# KiCad board panel.kicad_pcb (continued)
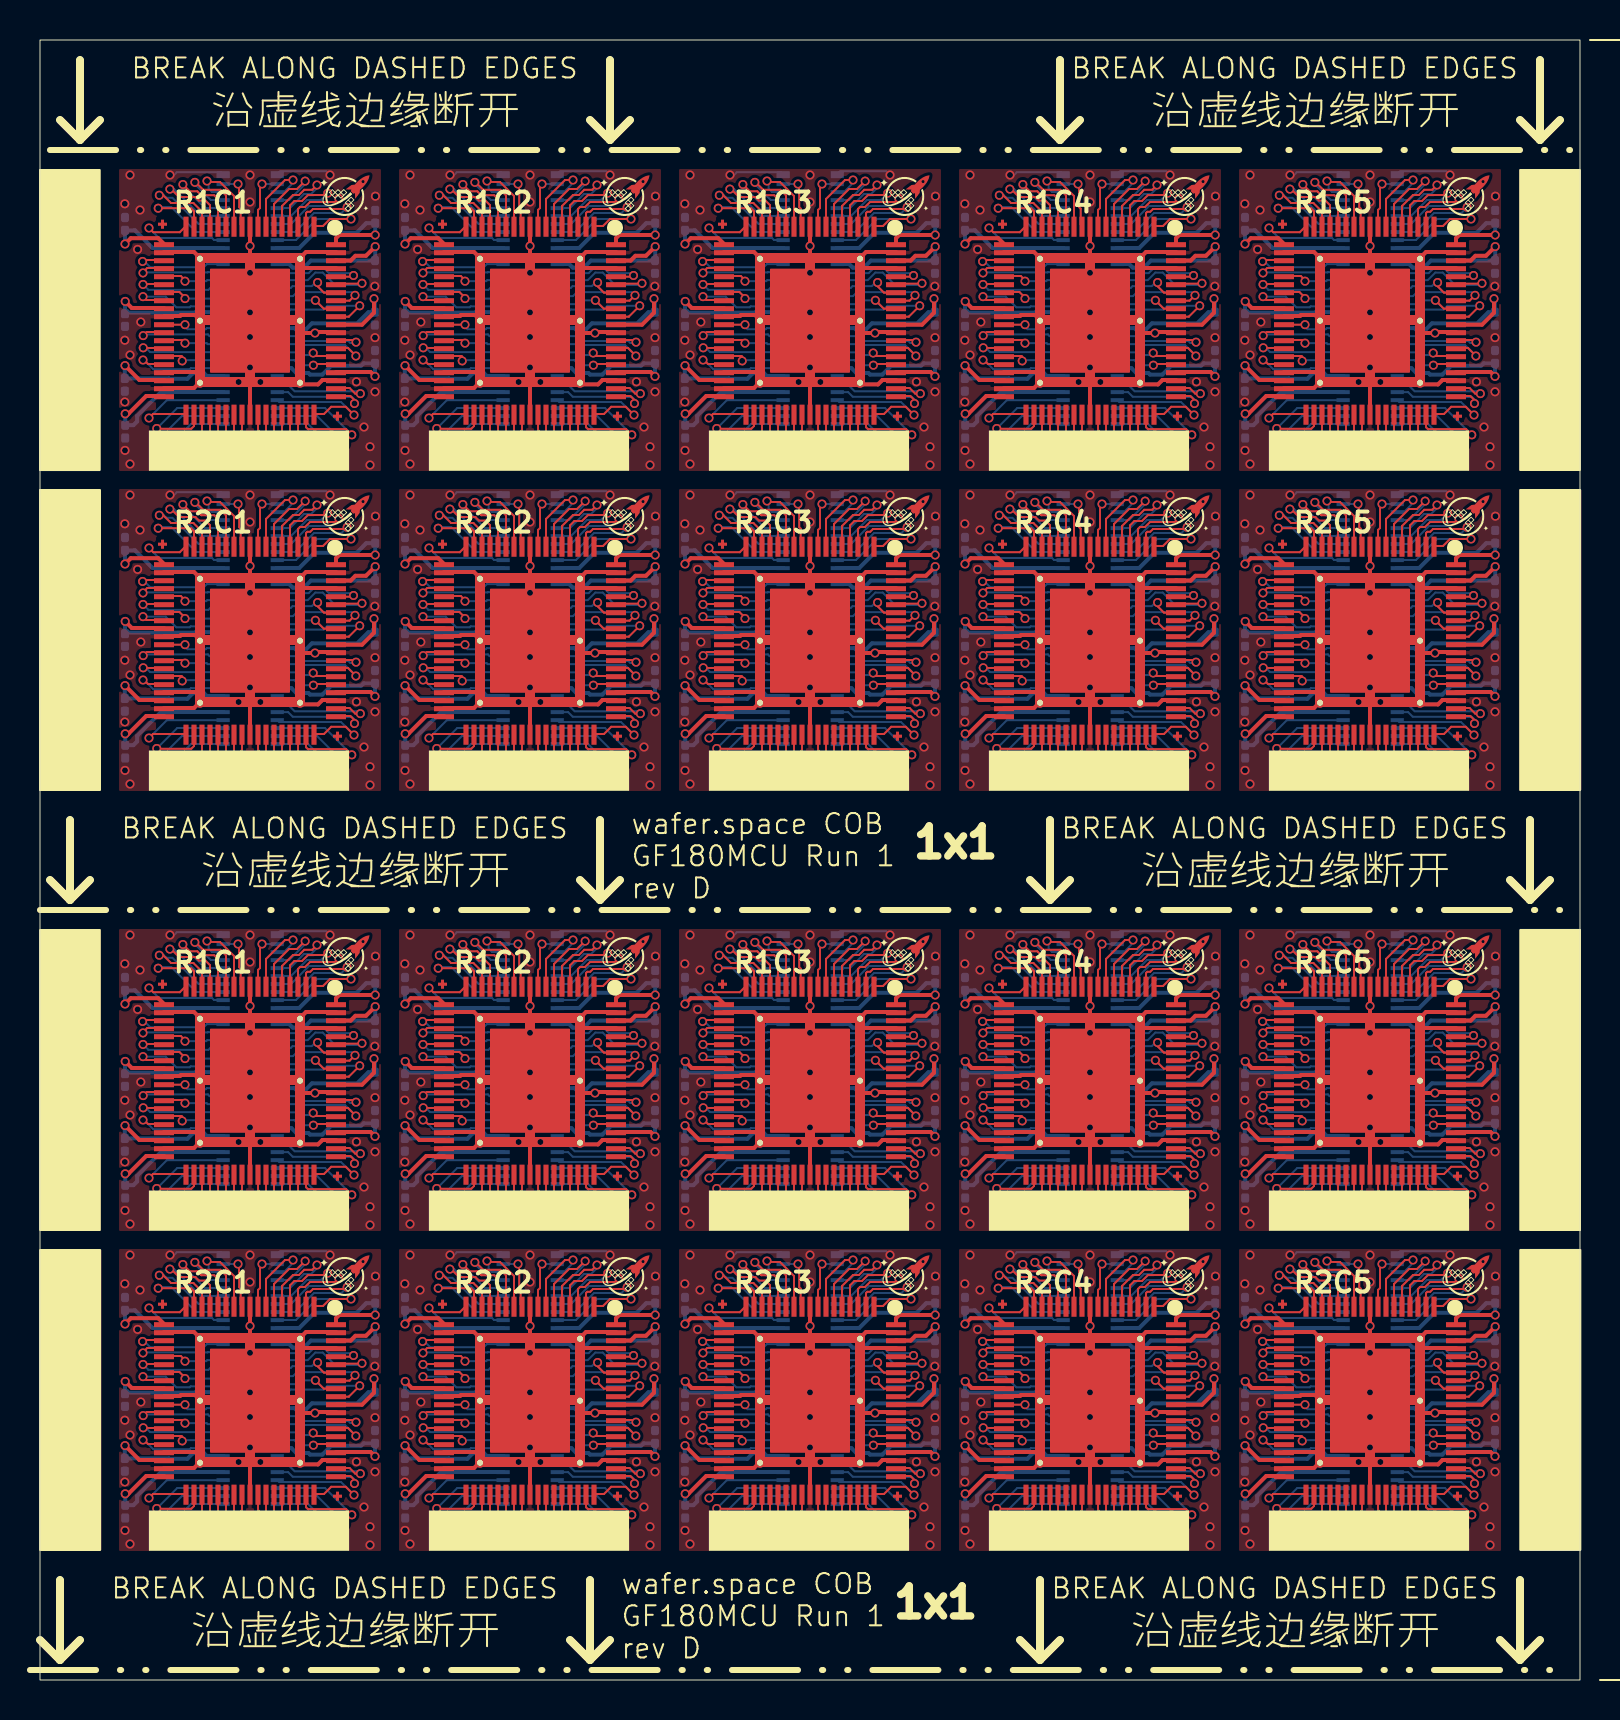
[diagram p0: board, top side]
## Routing (per net, layer and track width the routed paths; a pad name or vN(x,y) marks a point on that pad's centre or on a via; arc(x,y) is an arc through that point) (continued)
VDD_CORE_0: length 159.7
  Top w0.2: 6.2,11 4.97,11 v1(4.25,11.72) ; v1(46.25,27.72) 46.97,27 48.2,27 ; 20.2,11 18.97,11 v1(18.25,11.72) ; v1(18.25,27.72) 18.97,27 20.2,27 ; 62.2,27 60.97,27 v1(60.25,27.72) ; v1(18.25,65.72) 18.97,65 20.2,65 ; v1(4.25,49.72) 4.97,49 6.2,49 ; v1(32.25,27.72) 32.97,27 34.2,27 ; 62.2,49 60.97,49 v1(60.25,49.72) ; 48.2,11 46.97,11 v1(46.25,11.72) ; 34.2,49 32.97,49 v1(32.25,49.72) ; v1(32.25,11.72) 32.97,11 34.2,11 ; v1(60.25,11.72) 60.97,11 62.2,11 ; v1(46.25,65.72) 46.97,65 48.2,65 ; v1(4.25,65.72) 4.97,65 6.2,65 ; v1(4.25,27.72) 4.97,27 6.2,27 ; v1(46.25,49.72) 46.97,49 48.2,49 ; v1(18.25,49.72) 18.97,49 20.2,49 ; 34.2,65 32.97,65 v1(32.25,65.72) ; 62.2,65 60.97,65 v1(60.25,65.72)
  Bottom w0.2: v1(4.25,65.72) 4.24,65.71 C103#2.1 6.44,65.08 6.46,65.06 7.36,65.06 7.65,65.34 8.19,65.34 8.34,65.2 9.15,65.2 ; 9.15,49.2 8.34,49.2 8.19,49.34 7.65,49.34 7.36,49.06 6.46,49.06 6.44,49.08 C143#2.1 4.24,49.71 v1(4.25,49.72) ; v1(32.25,11.72) 32.24,11.71 C159.1 34.44,11.08 34.46,11.06 35.36,11.06 35.65,11.34 36.19,11.34 36.34,11.2 37.15,11.2 ; v1(60.25,27.72) 60.24,27.71 C135#2.1 62.44,27.08 62.46,27.06 63.36,27.06 63.65,27.34 64.19,27.34 64.34,27.2 65.15,27.2 ; v1(32.25,27.72) 32.24,27.71 C119#2.1 34.44,27.08 34.46,27.06 35.36,27.06 35.65,27.34 36.19,27.34 36.34,27.2 37.15,27.2 ; 23.15,49.2 22.34,49.2 22.19,49.34 21.65,49.34 21.36,49.06 20.46,49.06 20.44,49.08 C151.1 18.24,49.71 v1(18.25,49.72) ; 51.15,27.2 50.34,27.2 50.19,27.34 49.65,27.34 49.36,27.06 48.46,27.06 48.44,27.08 C127.1 46.24,27.71 v1(46.25,27.72) ; 23.15,65.2 22.34,65.2 22.19,65.34 21.65,65.34 21.36,65.06 20.46,65.06 20.44,65.08 C111.1 18.24,65.71 v1(18.25,65.72) ; 51.15,65.2 50.34,65.2 50.19,65.34 49.65,65.34 49.36,65.06 48.46,65.06 48.44,65.08 C127#2.1 46.24,65.71 v1(46.25,65.72) ; v1(4.25,11.72) 4.24,11.71 C143.1 6.44,11.08 6.46,11.06 7.36,11.06 7.65,11.34 8.19,11.34 8.34,11.2 9.15,11.2 ; 51.15,49.2 50.34,49.2 50.19,49.34 49.65,49.34 49.36,49.06 48.46,49.06 48.44,49.08 C167.1 46.24,49.71 v1(46.25,49.72) ; v1(18.25,27.72) 18.24,27.71 C111#2.1 20.44,27.08 20.46,27.06 21.36,27.06 21.65,27.34 22.19,27.34 22.34,27.2 23.15,27.2 ; v1(60.25,65.72) 60.24,65.71 C135.1 62.44,65.08 62.46,65.06 63.36,65.06 63.65,65.34 64.19,65.34 64.34,65.2 65.15,65.2 ; v1(32.25,49.72) 32.24,49.71 C159#2.1 34.44,49.08 34.46,49.06 35.36,49.06 35.65,49.34 36.19,49.34 36.34,49.2 37.15,49.2 ; v1(32.25,65.72) 32.24,65.71 C119.1 34.44,65.08 34.46,65.06 35.36,65.06 35.65,65.34 36.19,65.34 36.34,65.2 37.15,65.2 ; v1(60.25,49.72) 60.24,49.71 C175.1 62.44,49.08 62.46,49.06 63.36,49.06 63.65,49.34 64.19,49.34 64.34,49.2 65.15,49.2 ; 9.15,27.2 8.34,27.2 8.19,27.34 7.65,27.34 7.36,27.06 6.46,27.06 6.44,27.08 C103.1 4.24,27.71 v1(4.25,27.72) ; v1(60.25,11.72) 60.24,11.71 C175#2.1 62.44,11.08 62.46,11.06 63.36,11.06 63.65,11.34 64.19,11.34 64.34,11.2 65.15,11.2 ; v1(46.25,11.72) 46.24,11.71 C167#2.1 48.44,11.08 48.46,11.06 49.36,11.06 49.65,11.34 50.19,11.34 50.34,11.2 51.15,11.2 ; 23.15,11.2 22.34,11.2 22.19,11.34 21.65,11.34 21.36,11.06 20.46,11.06 20.44,11.08 C151#2.1 18.24,11.71 v1(18.25,11.72)
VDD_CORE_1: length 161.7
  Top w0.2: v1(58.76,33.67) 58.3,33.21 57.77,33.21 57.53,32.97 56.83,32.97 56.8,33 ; v1(72.76,33.67) 72.3,33.21 71.77,33.21 71.53,32.97 70.83,32.97 70.8,33 ; v1(72.76,17.67) 72.3,17.21 71.77,17.21 71.53,16.97 70.83,16.97 70.8,17 ; v1(44.76,33.67) 44.3,33.21 43.77,33.21 43.53,32.97 42.83,32.97 42.8,33 ; 14.8,33 14.83,32.97 15.53,32.97 15.77,33.21 16.3,33.21 v1(16.76,33.67) ; 42.8,71 42.83,70.97 43.53,70.97 43.77,71.21 44.3,71.21 v1(44.76,71.67) ; 42.8,17 42.83,16.97 43.53,16.97 43.77,17.21 44.3,17.21 v1(44.76,17.67) ; 28.8,33 28.83,32.97 29.53,32.97 29.77,33.21 30.3,33.21 v1(30.76,33.67) ; 14.8,71 14.83,70.97 15.53,70.97 15.77,71.21 16.3,71.21 v1(16.76,71.67) ; 70.8,55 70.83,54.97 71.53,54.97 71.77,55.21 72.3,55.21 v1(72.76,55.67) ; v1(30.76,71.67) 30.3,71.21 29.77,71.21 29.53,70.97 28.83,70.97 28.8,71 ; v1(58.76,71.67) 58.3,71.21 57.77,71.21 57.53,70.97 56.83,70.97 56.8,71 ; 56.8,17 56.83,16.97 57.53,16.97 57.77,17.21 58.3,17.21 v1(58.76,17.67) ; v1(44.76,55.67) 44.3,55.21 43.77,55.21 43.53,54.97 42.83,54.97 42.8,55 ; 14.8,55 14.83,54.97 15.53,54.97 15.77,55.21 16.3,55.21 v1(16.76,55.67) ; 70.8,71 70.83,70.97 71.53,70.97 71.77,71.21 72.3,71.21 v1(72.76,71.67) ; 14.8,17 14.83,16.97 15.53,16.97 15.77,17.21 16.3,17.21 v1(16.76,17.67) ; 28.8,17 28.83,16.97 29.53,16.97 29.77,17.21 30.3,17.21 v1(30.76,17.67) ; 28.8,55 28.83,54.97 29.53,54.97 29.77,55.21 30.3,55.21 v1(30.76,55.67) ; 56.8,55 56.83,54.97 57.53,54.97 57.77,55.21 58.3,55.21 v1(58.76,55.67)
  Bottom w0.2: v1(72.76,33.67) 72.76,32.98 C136.1 69.55,32.97 69.19,32.61 68.64,32.61 68.46,32.8 67.86,32.8 ; 67.86,16.8 68.46,16.8 68.64,16.61 69.19,16.61 69.55,16.97 C176.1 72.76,16.98 v1(72.76,17.67) ; v1(44.76,55.67) 44.76,54.98 C160#2.1 41.55,54.97 41.19,54.61 40.64,54.61 40.46,54.8 39.85,54.8 ; v1(44.76,71.67) 44.76,70.98 C120.1 41.55,70.97 41.19,70.61 40.64,70.61 40.46,70.8 39.85,70.8 ; v1(58.76,71.67) 58.76,70.98 C128#2.1 55.55,70.97 55.19,70.61 54.64,70.61 54.46,70.8 53.85,70.8 ; v1(16.76,71.67) 16.76,70.98 C104#2.1 13.55,70.97 13.19,70.61 12.64,70.61 12.46,70.8 11.85,70.8 ; 25.85,16.8 26.46,16.8 26.64,16.61 27.19,16.61 27.55,16.97 C152.1 30.76,16.98 v1(30.76,17.67) ; 25.85,70.8 26.46,70.8 26.64,70.61 27.19,70.61 27.55,70.97 C112.1 30.76,70.98 v1(30.76,71.67) ; 39.85,32.8 40.46,32.8 40.64,32.61 41.19,32.61 41.55,32.97 C120#2.1 44.76,32.98 v1(44.76,33.67) ; 11.85,16.8 12.46,16.8 12.64,16.61 13.19,16.61 13.55,16.97 C144#2.1 16.76,16.98 v1(16.76,17.67) ; 53.85,54.8 54.46,54.8 54.64,54.61 55.19,54.61 55.55,54.97 C168.1 58.76,54.98 v1(58.76,55.67) ; 53.85,32.8 54.46,32.8 54.64,32.61 55.19,32.61 55.55,32.97 C128.1 58.76,32.98 v1(58.76,33.67) ; 67.86,54.8 68.46,54.8 68.64,54.61 69.19,54.61 69.55,54.97 C176#2.1 72.76,54.98 v1(72.76,55.67) ; 67.86,70.8 68.46,70.8 68.64,70.61 69.19,70.61 69.55,70.97 C136#2.1 72.76,70.98 v1(72.76,71.67) ; 25.85,32.8 26.46,32.8 26.64,32.61 27.19,32.61 27.55,32.97 C112#2.1 30.76,32.98 v1(30.76,33.67) ; 39.85,16.8 40.46,16.8 40.64,16.61 41.19,16.61 41.55,16.97 C160.1 44.76,16.98 v1(44.76,17.67) ; v1(16.76,33.67) 16.76,32.98 C104.1 13.55,32.97 13.19,32.61 12.64,32.61 12.46,32.8 11.85,32.8 ; v1(16.76,55.67) 16.76,54.98 C144.1 13.55,54.97 13.19,54.61 12.64,54.61 12.46,54.8 11.85,54.8 ; v1(30.76,55.67) 30.76,54.98 C152#2.1 27.55,54.97 27.19,54.61 26.64,54.61 26.46,54.8 25.85,54.8 ; 53.85,16.8 54.46,16.8 54.64,16.61 55.19,16.61 55.55,16.97 C168#2.1 58.76,16.98 v1(58.76,17.67)
VDD_IO_0: length 162.7
  Top w0.2: 34.2,71.8 33.91,72.09 32.54,72.09 v1(32.25,71.8) ; v1(46.25,17.8) 46.54,18.09 47.91,18.09 48.2,17.8 ; v1(18.25,55.8) 18.54,56.09 19.91,56.09 20.2,55.8 ; 6.2,71.8 5.91,72.09 4.54,72.09 v1(4.25,71.8) ; v1(4.25,17.8) 4.54,18.09 5.91,18.09 6.2,17.8 ; v1(32.25,17.8) 32.54,18.09 33.91,18.09 34.2,17.8 ; v1(60.25,17.8) 60.54,18.09 61.91,18.09 62.2,17.8 ; 20.2,17.8 19.91,18.09 18.54,18.09 v1(18.25,17.8) ; v1(4.25,55.8) 4.54,56.09 5.91,56.09 6.2,55.8 ; 48.2,71.8 47.91,72.09 46.54,72.09 v1(46.25,71.8) ; 62.2,71.8 61.91,72.09 60.54,72.09 v1(60.25,71.8) ; v1(4.25,33.8) 4.54,34.09 5.91,34.09 6.2,33.8 ; v1(18.25,71.8) 18.54,72.09 19.91,72.09 20.2,71.8 ; v1(18.25,33.8) 18.54,34.09 19.91,34.09 20.2,33.8 ; 62.2,33.8 61.91,34.09 60.54,34.09 v1(60.25,33.8) ; 34.2,33.8 33.91,34.09 32.54,34.09 v1(32.25,33.8) ; 48.2,55.8 47.91,56.09 46.54,56.09 v1(46.25,55.8) ; v1(46.25,33.8) 46.54,34.09 47.91,34.09 48.2,33.8 ; 62.2,55.8 61.91,56.09 60.54,56.09 v1(60.25,55.8) ; 34.2,55.8 33.91,56.09 32.54,56.09 v1(32.25,55.8)
  Bottom w0.2: 37.15,33.6 33.63,33.6 32.74,34.48 C123#2.1 v1(32.25,33.8) ; 51.15,17.6 47.63,17.6 46.74,18.48 C171.1 v1(46.25,17.8) ; v1(32.25,55.8) C163.1 32.74,56.48 33.63,55.6 37.15,55.6 ; 65.15,17.6 61.63,17.6 60.74,18.48 C179#2.1 v1(60.25,17.8) ; 9.15,71.6 5.63,71.6 4.74,72.48 C107.1 v1(4.25,71.8) ; 51.15,71.6 47.63,71.6 46.74,72.48 C131.1 v1(46.25,71.8) ; 65.15,55.6 61.63,55.6 60.74,56.48 C179.1 v1(60.25,55.8) ; 37.15,71.6 33.63,71.6 32.74,72.48 C123.1 v1(32.25,71.8) ; 65.15,71.6 61.63,71.6 60.74,72.48 C139.1 v1(60.25,71.8) ; v1(18.25,55.8) C155.1 18.74,56.48 19.63,55.6 23.15,55.6 ; 23.15,71.6 19.63,71.6 18.74,72.48 C115#2.1 v1(18.25,71.8) ; 9.15,55.6 5.63,55.6 4.74,56.48 C147.1 v1(4.25,55.8) ; 37.15,17.6 33.63,17.6 32.74,18.48 C163#2.1 v1(32.25,17.8) ; 51.15,55.6 47.63,55.6 46.74,56.48 C171#2.1 v1(46.25,55.8) ; 9.15,17.6 5.63,17.6 4.74,18.48 C147#2.1 v1(4.25,17.8) ; v1(46.25,33.8) C131#2.1 46.74,34.48 47.63,33.6 51.15,33.6 ; 23.15,33.6 19.63,33.6 18.74,34.48 C115.1 v1(18.25,33.8) ; 23.15,17.6 19.63,17.6 18.74,18.48 C155#2.1 v1(18.25,17.8) ; v1(4.25,33.8) C107#2.1 4.74,34.48 5.63,33.6 9.15,33.6 ; v1(60.25,33.8) C139#2.1 60.74,34.48 61.63,33.6 65.15,33.6
VDD_IO_1: length 172.3
  Top w0.2: 34.2,10.2 33.31,10.2 32.42,9.31 v1(32.26,9.31) ; v1(18.26,9.31) 18.42,9.31 19.31,10.2 20.2,10.2 ; 62.2,48.2 61.31,48.2 60.42,47.31 v1(60.26,47.31) ; v1(18.26,63.31) 18.42,63.31 19.31,64.2 20.2,64.2 ; 48.2,10.2 47.31,10.2 46.42,9.31 v1(46.26,9.31) ; 6.2,10.2 5.31,10.2 4.42,9.31 v1(4.26,9.31) ; v1(18.26,47.31) 18.42,47.31 19.31,48.2 20.2,48.2 ; v1(32.26,63.31) 32.42,63.31 33.31,64.2 34.2,64.2 ; v1(46.26,47.31) 46.42,47.31 47.31,48.2 48.2,48.2 ; v1(4.26,47.31) 4.42,47.31 5.31,48.2 6.2,48.2 ; v1(60.26,63.31) 60.42,63.31 61.31,64.2 62.2,64.2 ; v1(4.26,63.31) 4.42,63.31 5.31,64.2 6.2,64.2 ; v1(18.26,25.31) 18.42,25.31 19.31,26.2 20.2,26.2 ; v1(46.26,63.31) 46.42,63.31 47.31,64.2 48.2,64.2 ; 62.2,10.2 61.31,10.2 60.42,9.31 v1(60.26,9.31) ; 34.2,48.2 33.31,48.2 32.42,47.31 v1(32.26,47.31) ; 6.2,26.2 5.31,26.2 4.42,25.31 v1(4.26,25.31) ; 48.2,26.2 47.31,26.2 46.42,25.31 v1(46.26,25.31) ; 34.2,26.2 33.31,26.2 32.42,25.31 v1(32.26,25.31) ; 62.2,26.2 61.31,26.2 60.42,25.31 v1(60.26,25.31)
  Bottom w0.2: v1(60.26,63.31) C133#2.1 60.67,62.74 60.86,62.93 60.86,63.21 62.05,64.4 65.15,64.4 ; v1(60.26,47.31) C173.1 60.67,46.74 60.86,46.93 60.86,47.21 62.05,48.4 65.15,48.4 ; v1(46.26,9.31) C165#2.1 46.67,8.74 46.86,8.93 46.86,9.21 48.05,10.4 51.15,10.4 ; v1(4.26,25.31) C101#2.1 4.67,24.74 4.86,24.93 4.86,25.21 6.05,26.4 9.15,26.4 ; 37.15,48.4 34.05,48.4 32.86,47.21 32.86,46.93 32.67,46.74 C157#2.1 v1(32.26,47.31) ; v1(32.26,9.31) C157.1 32.67,8.74 32.86,8.93 32.86,9.21 34.05,10.4 37.15,10.4 ; 51.15,48.4 48.05,48.4 46.86,47.21 46.86,46.93 46.67,46.74 C165.1 v1(46.26,47.31) ; 23.15,48.4 20.05,48.4 18.86,47.21 18.86,46.93 18.67,46.74 C149.1 v1(18.26,47.31) ; v1(18.26,9.31) C149#2.1 18.67,8.74 18.86,8.93 18.86,9.21 20.05,10.4 23.15,10.4 ; v1(46.26,63.31) C125.1 46.67,62.74 46.86,62.93 46.86,63.21 48.05,64.4 51.15,64.4 ; v1(4.26,63.31) C101.1 4.67,62.74 4.86,62.93 4.86,63.21 6.05,64.4 9.15,64.4 ; 23.15,26.4 20.05,26.4 18.86,25.21 18.86,24.93 18.67,24.74 C109#2.1 v1(18.26,25.31) ; 23.15,64.4 20.05,64.4 18.86,63.21 18.86,62.93 18.67,62.74 C109.1 v1(18.26,63.31) ; v1(4.26,47.31) C141.1 4.67,46.74 4.86,46.93 4.86,47.21 6.05,48.4 9.15,48.4 ; 65.15,26.4 62.05,26.4 60.86,25.21 60.86,24.93 60.67,24.74 C133.1 v1(60.26,25.31) ; v1(4.26,9.31) C141#2.1 4.67,8.74 4.86,8.93 4.86,9.21 6.05,10.4 9.15,10.4 ; 51.15,26.4 48.05,26.4 46.86,25.21 46.86,24.93 46.67,24.74 C125#2.1 v1(46.26,25.31) ; 37.15,64.4 34.05,64.4 32.86,63.21 32.86,62.93 32.67,62.74 C117#2.1 v1(32.26,63.31) ; v1(32.26,25.31) C117.1 32.67,24.74 32.86,24.93 32.86,25.21 34.05,26.4 37.15,26.4 ; 65.15,10.4 62.05,10.4 60.86,9.21 60.86,8.93 60.67,8.74 C173#2.1 v1(60.26,9.31)
VDD_IO_2: length 159
  Top w0.2: v1(58.75,65.18) 58.53,65.4 56.8,65.4 ; 56.8,27.4 58.53,27.4 v1(58.75,27.18) ; 42.8,65.4 44.53,65.4 v1(44.75,65.18) ; v1(58.75,11.18) 58.53,11.4 56.8,11.4 ; 70.8,65.4 72.53,65.4 v1(72.75,65.18) ; 42.8,27.4 44.53,27.4 v1(44.75,27.18) ; 14.8,49.4 16.53,49.4 v1(16.75,49.18) ; v1(44.75,49.18) 44.53,49.4 42.8,49.4 ; v1(16.75,11.18) 16.53,11.4 14.8,11.4 ; 14.8,65.4 16.53,65.4 v1(16.75,65.18) ; 70.8,49.4 72.53,49.4 v1(72.75,49.18) ; v1(72.75,11.18) 72.53,11.4 70.8,11.4 ; 28.8,11.4 30.53,11.4 v1(30.75,11.18) ; v1(58.75,49.18) 58.53,49.4 56.8,49.4 ; v1(16.75,27.18) 16.53,27.4 14.8,27.4 ; v1(44.75,11.18) 44.53,11.4 42.8,11.4 ; v1(30.75,65.18) 30.53,65.4 28.8,65.4 ; 28.8,49.4 30.53,49.4 v1(30.75,49.18) ; 28.8,27.4 30.53,27.4 v1(30.75,27.18) ; v1(72.75,27.18) 72.53,27.4 70.8,27.4
  Bottom w0.2: U101.24 12.57,65.59 12.81,65.35 13.42,65.35 13.5,65.27 14.12,65.27 14.56,65.71 16.05,65.71 16.18,65.84 C108#2.1 v1(16.75,65.18) ; v1(44.75,11.18) 44.75,11.83 44.18,11.83 44.05,11.71 42.56,11.71 42.12,11.27 41.5,11.27 41.42,11.35 40.81,11.35 40.57,11.59 U115#2.24 ; U105#2.24 40.57,65.59 40.81,65.35 41.42,65.35 41.5,65.27 42.12,65.27 42.56,65.71 44.05,65.71 44.18,65.84 C124.1 v1(44.75,65.18) ; v1(58.75,27.18) 58.75,27.83 58.18,27.83 58.05,27.71 56.56,27.71 56.12,27.27 55.5,27.27 55.42,27.35 54.81,27.35 54.57,27.59 U107#2.24 ; v1(72.75,49.18) 72.75,49.83 72.18,49.83 72.05,49.71 70.56,49.71 70.12,49.27 69.5,49.27 69.42,49.35 68.81,49.35 68.57,49.59 U119#2.24 ; v1(72.75,65.18) C140.1 72.18,65.84 72.05,65.71 70.56,65.71 70.12,65.27 69.5,65.27 69.42,65.35 68.81,65.35 68.57,65.59 U109.24 ; U109#2.24 68.57,27.59 68.81,27.35 69.42,27.35 69.5,27.27 70.12,27.27 70.56,27.71 72.05,27.71 72.18,27.83 72.75,27.83 v1(72.75,27.18) ; U113#2.24 26.57,49.59 26.81,49.35 27.42,49.35 27.5,49.27 28.12,49.27 28.56,49.71 30.05,49.71 30.18,49.83 30.75,49.83 v1(30.75,49.18) ; U101#2.24 12.57,27.59 12.81,27.35 13.42,27.35 13.5,27.27 14.12,27.27 14.56,27.71 16.05,27.71 16.18,27.83 16.75,27.83 v1(16.75,27.18) ; v1(16.75,49.18) 16.75,49.83 16.18,49.83 16.05,49.71 14.56,49.71 14.12,49.27 13.5,49.27 13.42,49.35 12.81,49.35 12.57,49.59 U111.24 ; U103#2.24 26.57,65.59 26.81,65.35 27.42,65.35 27.5,65.27 28.12,65.27 28.56,65.71 30.05,65.71 30.18,65.84 C116#2.1 v1(30.75,65.18) ; U111#2.24 12.57,11.59 12.81,11.35 13.42,11.35 13.5,11.27 14.12,11.27 14.56,11.71 16.05,11.71 16.18,11.83 16.75,11.83 v1(16.75,11.18) ; v1(58.75,65.18) C132#2.1 58.18,65.84 58.05,65.71 56.56,65.71 56.12,65.27 55.5,65.27 55.42,65.35 54.81,65.35 54.57,65.59 U107.24 ; v1(30.75,11.18) 30.75,11.83 30.18,11.83 30.05,11.71 28.56,11.71 28.12,11.27 27.5,11.27 27.42,11.35 26.81,11.35 26.57,11.59 U113.24 ; U115.24 40.57,49.59 40.81,49.35 41.42,49.35 41.5,49.27 42.12,49.27 42.56,49.71 44.05,49.71 44.18,49.83 44.75,49.83 v1(44.75,49.18) ; U119.24 68.57,11.59 68.81,11.35 69.42,11.35 69.5,11.27 70.12,11.27 70.56,11.71 72.05,11.71 72.18,11.83 72.75,11.83 v1(72.75,11.18) ; U117#2.24 54.57,49.59 54.81,49.35 55.42,49.35 55.5,49.27 56.12,49.27 56.56,49.71 58.05,49.71 58.18,49.83 58.75,49.83 v1(58.75,49.18) ; U117.24 54.57,11.59 54.81,11.35 55.42,11.35 55.5,11.27 56.12,11.27 56.56,11.71 58.05,11.71 58.18,11.83 58.75,11.83 v1(58.75,11.18) ; v1(44.75,27.18) 44.75,27.83 44.18,27.83 44.05,27.71 42.56,27.71 42.12,27.27 41.5,27.27 41.42,27.35 40.81,27.35 40.57,27.59 U105.24 ; v1(30.75,27.18) 30.75,27.83 30.18,27.83 30.05,27.71 28.56,27.71 28.12,27.27 27.5,27.27 27.42,27.35 26.81,27.35 26.57,27.59 U103.24
VDD_IO_3: length 166.5
  Top w0.2: 70.8,33.8 70.8,34.09 70.96,34.25 v1(72.76,34.25) ; 42.8,55.8 42.8,56.09 42.96,56.25 v1(44.76,56.25) ; v1(30.76,72.25) 28.96,72.25 28.8,72.09 28.8,71.8 ; 14.8,17.8 14.8,18.09 14.96,18.25 v1(16.76,18.25) ; 28.8,55.8 28.8,56.09 28.96,56.25 v1(30.76,56.25) ; v1(44.76,34.25) 42.96,34.25 42.8,34.09 42.8,33.8 ; v1(16.76,34.25) 14.96,34.25 14.8,34.09 14.8,33.8 ; 70.8,55.8 70.8,56.09 70.96,56.25 v1(72.76,56.25) ; v1(72.76,72.25) 70.96,72.25 70.8,72.09 70.8,71.8 ; v1(72.76,18.25) 70.96,18.25 70.8,18.09 70.8,17.8 ; 56.8,17.8 56.8,18.09 56.96,18.25 v1(58.76,18.25) ; 56.8,71.8 56.8,72.09 56.96,72.25 v1(58.76,72.25) ; v1(16.76,56.25) 14.96,56.25 14.8,56.09 14.8,55.8 ; 42.8,17.8 42.8,18.09 42.96,18.25 v1(44.76,18.25) ; v1(30.76,18.25) 28.96,18.25 28.8,18.09 28.8,17.8 ; 14.8,71.8 14.8,72.09 14.96,72.25 v1(16.76,72.25) ; 28.8,33.8 28.8,34.09 28.96,34.25 v1(30.76,34.25) ; 56.8,33.8 56.8,34.09 56.96,34.25 v1(58.76,34.25) ; v1(58.76,56.25) 56.96,56.25 56.8,56.09 56.8,55.8 ; v1(44.76,72.25) 42.96,72.25 42.8,72.09 42.8,71.8
  Bottom w0.2: v1(58.76,34.25) C126#2.1 58.31,34.84 57.83,34.36 55.72,34.36 54.96,33.6 53.85,33.6 ; v1(30.76,72.25) C110#2.1 30.31,72.84 29.83,72.36 27.72,72.36 26.96,71.6 25.85,71.6 ; v1(44.76,18.25) C158#2.1 44.31,18.84 43.83,18.36 41.72,18.36 40.96,17.6 39.85,17.6 ; v1(72.76,18.25) C174#2.1 72.31,18.84 71.83,18.36 69.72,18.36 68.96,17.6 67.86,17.6 ; 53.85,55.6 54.96,55.6 55.72,56.36 57.83,56.36 58.31,56.84 C166.1 v1(58.76,56.25) ; 11.85,71.6 12.96,71.6 13.72,72.36 15.83,72.36 16.31,72.84 C102#2.1 v1(16.76,72.25) ; 25.85,33.6 26.96,33.6 27.72,34.36 29.83,34.36 30.31,34.84 C110.1 v1(30.76,34.25) ; 53.85,17.6 54.96,17.6 55.72,18.36 57.83,18.36 58.31,18.84 C166#2.1 v1(58.76,18.25) ; 25.85,55.6 26.96,55.6 27.72,56.36 29.83,56.36 30.31,56.84 C150#2.1 v1(30.76,56.25) ; v1(44.76,34.25) C118#2.1 44.31,34.84 43.83,34.36 41.72,34.36 40.96,33.6 39.85,33.6 ; v1(44.76,72.25) C118.1 44.31,72.84 43.83,72.36 41.72,72.36 40.96,71.6 39.85,71.6 ; 67.86,55.6 68.96,55.6 69.72,56.36 71.83,56.36 72.31,56.84 C174.1 v1(72.76,56.25) ; 67.86,71.6 68.96,71.6 69.72,72.36 71.83,72.36 72.31,72.84 C134.1 v1(72.76,72.25) ; 67.86,33.6 68.96,33.6 69.72,34.36 71.83,34.36 72.31,34.84 C134#2.1 v1(72.76,34.25) ; 39.85,55.6 40.96,55.6 41.72,56.36 43.83,56.36 44.31,56.84 C158.1 v1(44.76,56.25) ; v1(58.76,72.25) C126.1 58.31,72.84 57.83,72.36 55.72,72.36 54.96,71.6 53.85,71.6 ; v1(16.76,56.25) C142.1 16.31,56.84 15.83,56.36 13.72,56.36 12.96,55.6 11.85,55.6 ; 11.85,33.6 12.96,33.6 13.72,34.36 15.83,34.36 16.31,34.84 C102.1 v1(16.76,34.25) ; v1(16.76,18.25) C142#2.1 16.31,18.84 15.83,18.36 13.72,18.36 12.96,17.6 11.85,17.6 ; v1(30.76,18.25) C150.1 30.31,18.84 29.83,18.36 27.72,18.36 26.96,17.6 25.85,17.6
/pad_0: length 122.5
  Top w0.1: 13.7,18.7 14.15,18.7 14.5,19.05 v1(15.55,19.05) ; v1(29.55,73.05) 28.5,73.05 28.15,72.7 27.7,72.7 ; v1(15.55,35.05) 14.5,35.05 14.15,34.7 13.7,34.7 ; v1(71.55,57.05) 70.5,57.05 70.15,56.7 69.7,56.7 ; v1(29.55,35.05) 28.5,35.05 28.15,34.7 27.7,34.7 ; v1(43.55,73.05) 42.5,73.05 42.15,72.7 41.7,72.7 ; 55.7,72.7 56.15,72.7 56.5,73.05 v1(57.55,73.05) ; v1(43.55,57.05) 42.5,57.05 42.15,56.7 41.7,56.7 ; v1(15.55,57.05) 14.5,57.05 14.15,56.7 13.7,56.7 ; 27.7,56.7 28.15,56.7 28.5,57.05 v1(29.55,57.05) ; 13.7,72.7 14.15,72.7 14.5,73.05 v1(15.55,73.05) ; 55.7,56.7 56.15,56.7 56.5,57.05 v1(57.55,57.05) ; v1(57.55,35.05) 56.5,35.05 56.15,34.7 55.7,34.7 ; v1(29.55,19.05) 28.5,19.05 28.15,18.7 27.7,18.7 ; v1(71.55,35.05) 70.5,35.05 70.15,34.7 69.7,34.7 ; 41.7,34.7 42.15,34.7 42.5,35.05 v1(43.55,35.05) ; v1(71.55,73.05) 70.5,73.05 70.15,72.7 69.7,72.7 ; 55.7,18.7 56.15,18.7 56.5,19.05 v1(57.55,19.05) ; v1(71.55,19.05) 70.5,19.05 70.15,18.7 69.7,18.7 ; 41.7,18.7 42.15,18.7 42.5,19.05 v1(43.55,19.05)
  Bottom w0.1: 39.85,72 40.8,72 41.85,73.05 v1(43.55,73.05) ; 67.86,56 68.8,56 69.85,57.05 v1(71.55,57.05) ; 11.85,34 12.8,34 13.85,35.05 v1(15.55,35.05) ; v1(57.55,57.05) 55.85,57.05 54.8,56 53.85,56 ; v1(71.55,73.05) 69.85,73.05 68.8,72 67.86,72 ; v1(29.55,73.05) 27.85,73.05 26.8,72 25.85,72 ; v1(57.55,73.05) 55.85,73.05 54.8,72 53.85,72 ; v1(15.55,19.05) 13.85,19.05 12.8,18 11.85,18 ; 11.85,72 12.8,72 13.85,73.05 v1(15.55,73.05) ; 11.85,56 12.8,56 13.85,57.05 v1(15.55,57.05) ; 53.85,34 54.8,34 55.85,35.05 v1(57.55,35.05) ; v1(43.55,19.05) 41.85,19.05 40.8,18 39.85,18 ; 53.85,18 54.8,18 55.85,19.05 v1(57.55,19.05) ; v1(29.55,35.05) 27.85,35.05 26.8,34 25.85,34 ; 25.85,56 26.8,56 27.85,57.05 v1(29.55,57.05) ; 67.86,34 68.8,34 69.85,35.05 v1(71.55,35.05) ; 67.86,18 68.8,18 69.85,19.05 v1(71.55,19.05) ; 25.85,18 26.8,18 27.85,19.05 v1(29.55,19.05) ; v1(43.55,57.05) 41.85,57.05 40.8,56 39.85,56 ; 39.85,34 40.8,34 41.85,35.05 v1(43.55,35.05)
/pad_1: length 136.8
  Top w0.1: 41.3,56.7 41.3,57.35 41.36,57.41 41.51,57.41 41.65,57.55 43.27,57.55 v1(43.36,57.64) ; v1(15.36,73.64) 15.27,73.55 13.65,73.55 13.51,73.41 13.36,73.41 13.3,73.35 13.3,72.7 ; 13.3,56.7 13.3,57.35 13.36,57.41 13.51,57.41 13.65,57.55 15.27,57.55 v1(15.36,57.64) ; 13.3,18.7 13.3,19.35 13.36,19.41 13.51,19.41 13.65,19.55 15.27,19.55 v1(15.36,19.64) ; 55.3,18.7 55.3,19.35 55.36,19.41 55.51,19.41 55.65,19.55 57.27,19.55 v1(57.36,19.64) ; v1(15.36,35.64) 15.27,35.55 13.65,35.55 13.51,35.41 13.36,35.41 13.3,35.35 13.3,34.7 ; v1(29.36,57.64) 29.27,57.55 27.65,57.55 27.51,57.41 27.36,57.41 27.3,57.35 27.3,56.7 ; 55.3,34.7 55.3,35.35 55.36,35.41 55.51,35.41 55.65,35.55 57.27,35.55 v1(57.36,35.64) ; 41.3,34.7 41.3,35.35 41.36,35.41 41.51,35.41 41.65,35.55 43.27,35.55 v1(43.36,35.64) ; v1(57.36,57.64) 57.27,57.55 55.65,57.55 55.51,57.41 55.36,57.41 55.3,57.35 55.3,56.7 ; v1(43.36,73.64) 43.27,73.55 41.65,73.55 41.51,73.41 41.36,73.41 41.3,73.35 41.3,72.7 ; v1(29.36,19.64) 29.27,19.55 27.65,19.55 27.51,19.41 27.36,19.41 27.3,19.35 27.3,18.7 ; 27.3,34.7 27.3,35.35 27.36,35.41 27.51,35.41 27.65,35.55 29.27,35.55 v1(29.36,35.64) ; 69.3,72.7 69.3,73.35 69.36,73.41 69.51,73.41 69.65,73.55 71.27,73.55 v1(71.36,73.64) ; v1(43.36,19.64) 43.27,19.55 41.65,19.55 41.51,19.41 41.36,19.41 41.3,19.35 41.3,18.7 ; 69.3,18.7 69.3,19.35 69.36,19.41 69.51,19.41 69.65,19.55 71.27,19.55 v1(71.36,19.64) ; 27.3,72.7 27.3,73.35 27.36,73.41 27.51,73.41 27.65,73.55 29.27,73.55 v1(29.36,73.64) ; 69.3,34.7 69.3,35.35 69.36,35.41 69.51,35.41 69.65,35.55 71.27,35.55 v1(71.36,35.64) ; v1(71.36,57.64) 71.27,57.55 69.65,57.55 69.51,57.41 69.36,57.41 69.3,57.35 69.3,56.7 ; 55.3,72.7 55.3,73.35 55.36,73.41 55.51,73.41 55.65,73.55 57.27,73.55 v1(57.36,73.64)
  Bottom w0.1: v1(29.36,73.64) 29.07,73.35 27.7,73.35 26.75,72.4 25.85,72.4 ; v1(57.36,73.64) 57.07,73.35 55.7,73.35 54.75,72.4 53.85,72.4 ; 53.85,56.4 54.75,56.4 55.7,57.35 57.07,57.35 v1(57.36,57.64) ; 53.85,18.4 54.75,18.4 55.7,19.35 57.07,19.35 v1(57.36,19.64) ; v1(71.36,57.64) 71.07,57.35 69.7,57.35 68.75,56.4 67.86,56.4 ; v1(15.36,35.64) 15.07,35.35 13.7,35.35 12.75,34.4 11.85,34.4 ; v1(43.36,57.64) 43.07,57.35 41.7,57.35 40.75,56.4 39.85,56.4 ; 67.86,18.4 68.75,18.4 69.7,19.35 71.07,19.35 v1(71.36,19.64) ; v1(15.36,73.64) 15.07,73.35 13.7,73.35 12.75,72.4 11.85,72.4 ; 67.86,34.4 68.75,34.4 69.7,35.35 71.07,35.35 v1(71.36,35.64) ; v1(29.36,57.64) 29.07,57.35 27.7,57.35 26.75,56.4 25.85,56.4 ; 67.86,72.4 68.75,72.4 69.7,73.35 71.07,73.35 v1(71.36,73.64) ; v1(57.36,35.64) 57.07,35.35 55.7,35.35 54.75,34.4 53.85,34.4 ; 39.85,34.4 40.75,34.4 41.7,35.35 43.07,35.35 v1(43.36,35.64) ; 11.85,56.4 12.75,56.4 13.7,57.35 15.07,57.35 v1(15.36,57.64) ; v1(29.36,35.64) 29.07,35.35 27.7,35.35 26.75,34.4 25.85,34.4 ; v1(43.36,19.64) 43.07,19.35 41.7,19.35 40.75,18.4 39.85,18.4 ; v1(43.36,73.64) 43.07,73.35 41.7,73.35 40.75,72.4 39.85,72.4 ; v1(15.36,19.64) 15.07,19.35 13.7,19.35 12.75,18.4 11.85,18.4 ; 25.85,18.4 26.75,18.4 27.7,19.35 29.07,19.35 v1(29.36,19.64)
/pad_2: length 134.5
  Top w0.1: 54.9,72.7 54.9,73.55 55,73.65 55.25,73.65 55.5,73.9 56.76,73.9 v1(56.94,74.08) ; v1(70.94,58.08) 70.76,57.9 69.5,57.9 69.25,57.65 69,57.65 68.9,57.55 68.9,56.7 ; 68.9,18.7 68.9,19.55 69,19.65 69.25,19.65 69.5,19.9 70.76,19.9 v1(70.94,20.08) ; v1(28.94,74.08) 28.76,73.9 27.5,73.9 27.25,73.65 27,73.65 26.9,73.55 26.9,72.7 ; 40.9,18.7 40.9,19.55 41,19.65 41.25,19.65 41.5,19.9 42.76,19.9 v1(42.94,20.08) ; 68.9,34.7 68.9,35.55 69,35.65 69.25,35.65 69.5,35.9 70.76,35.9 v1(70.94,36.08) ; v1(14.94,20.08) 14.76,19.9 13.5,19.9 13.25,19.65 13,19.65 12.9,19.55 12.9,18.7 ; 12.9,34.7 12.9,35.55 13,35.65 13.25,35.65 13.5,35.9 14.76,35.9 v1(14.94,36.08) ; 26.9,56.7 26.9,57.55 27,57.65 27.25,57.65 27.5,57.9 28.76,57.9 v1(28.94,58.08) ; 40.9,56.7 40.9,57.55 41,57.65 41.25,57.65 41.5,57.9 42.76,57.9 v1(42.94,58.08) ; v1(56.94,36.08) 56.76,35.9 55.5,35.9 55.25,35.65 55,35.65 54.9,35.55 54.9,34.7 ; v1(14.94,58.08) 14.76,57.9 13.5,57.9 13.25,57.65 13,57.65 12.9,57.55 12.9,56.7 ; 12.9,72.7 12.9,73.55 13,73.65 13.25,73.65 13.5,73.9 14.76,73.9 v1(14.94,74.08) ; v1(70.94,74.08) 70.76,73.9 69.5,73.9 69.25,73.65 69,73.65 68.9,73.55 68.9,72.7 ; v1(28.94,36.08) 28.76,35.9 27.5,35.9 27.25,35.65 27,35.65 26.9,35.55 26.9,34.7 ; v1(28.94,20.08) 28.76,19.9 27.5,19.9 27.25,19.65 27,19.65 26.9,19.55 26.9,18.7 ; 40.9,72.7 40.9,73.55 41,73.65 41.25,73.65 41.5,73.9 42.76,73.9 v1(42.94,74.08) ; 54.9,18.7 54.9,19.55 55,19.65 55.25,19.65 55.5,19.9 56.76,19.9 v1(56.94,20.08) ; 54.9,56.7 54.9,57.55 55,57.65 55.25,57.65 55.5,57.9 56.76,57.9 v1(56.94,58.08) ; 40.9,34.7 40.9,35.55 41,35.65 41.25,35.65 41.5,35.9 42.76,35.9 v1(42.94,36.08)
  Bottom w0.1: v1(42.94,20.08) 42.56,19.7 41.45,19.7 40.55,18.8 39.85,18.8 ; v1(56.94,74.08) 56.56,73.7 55.45,73.7 54.55,72.8 53.85,72.8 ; v1(28.94,20.08) 28.56,19.7 27.45,19.7 26.55,18.8 25.85,18.8 ; v1(42.94,36.08) 42.56,35.7 41.45,35.7 40.55,34.8 39.85,34.8 ; v1(42.94,58.08) 42.56,57.7 41.45,57.7 40.55,56.8 39.85,56.8 ; v1(70.94,58.08) 70.56,57.7 69.45,57.7 68.55,56.8 67.86,56.8 ; v1(28.94,58.08) 28.56,57.7 27.45,57.7 26.55,56.8 25.85,56.8 ; v1(14.94,36.08) 14.56,35.7 13.45,35.7 12.55,34.8 11.85,34.8 ; 25.85,72.8 26.55,72.8 27.45,73.7 28.56,73.7 v1(28.94,74.08) ; 11.85,72.8 12.55,72.8 13.45,73.7 14.56,73.7 v1(14.94,74.08) ; 53.85,56.8 54.55,56.8 55.45,57.7 56.56,57.7 v1(56.94,58.08) ; v1(28.94,36.08) 28.56,35.7 27.45,35.7 26.55,34.8 25.85,34.8 ; v1(56.94,36.08) 56.56,35.7 55.45,35.7 54.55,34.8 53.85,34.8 ; v1(42.94,74.08) 42.56,73.7 41.45,73.7 40.55,72.8 39.85,72.8 ; v1(14.94,58.08) 14.56,57.7 13.45,57.7 12.55,56.8 11.85,56.8 ; v1(14.94,20.08) 14.56,19.7 13.45,19.7 12.55,18.8 11.85,18.8 ; v1(70.94,74.08) 70.56,73.7 69.45,73.7 68.55,72.8 67.86,72.8 ; 53.85,18.8 54.55,18.8 55.45,19.7 56.56,19.7 v1(56.94,20.08) ; v1(70.94,36.08) 70.56,35.7 69.45,35.7 68.55,34.8 67.86,34.8 ; 67.86,18.8 68.55,18.8 69.45,19.7 70.56,19.7 v1(70.94,20.08)
/pad_3: length 123.7
  Top w0.1: 26.5,56.7 26.5,57.73 26.72,57.95 27.1,57.95 27.4,58.25 27.72,58.25 27.72,58.25 28.3,58.25 v1(28.39,58.34) ; 68.5,18.7 68.5,19.73 68.72,19.95 69.1,19.95 69.4,20.25 69.72,20.25 69.72,20.25 70.3,20.25 v1(70.39,20.34) ; v1(56.39,74.34) 56.3,74.25 55.72,74.25 55.72,74.25 55.4,74.25 55.1,73.95 54.72,73.95 54.5,73.73 54.5,72.7 ; 40.5,34.7 40.5,35.73 40.72,35.95 41.1,35.95 41.4,36.25 41.72,36.25 41.72,36.25 42.3,36.25 v1(42.39,36.34) ; v1(28.39,74.34) 28.3,74.25 27.72,74.25 27.72,74.25 27.4,74.25 27.1,73.95 26.72,73.95 26.5,73.73 26.5,72.7 ; 40.5,18.7 40.5,19.73 40.72,19.95 41.1,19.95 41.4,20.25 41.72,20.25 41.72,20.25 42.3,20.25 v1(42.39,20.34) ; 26.5,34.7 26.5,35.73 26.72,35.95 27.1,35.95 27.4,36.25 27.72,36.25 27.72,36.25 28.3,36.25 v1(28.39,36.34) ; 12.5,56.7 12.5,57.73 12.72,57.95 13.1,57.95 13.4,58.25 13.72,58.25 13.72,58.25 14.3,58.25 v1(14.39,58.34) ; v1(14.39,36.34) 14.3,36.25 13.72,36.25 13.72,36.25 13.4,36.25 13.1,35.95 12.72,35.95 12.5,35.73 12.5,34.7 ; 68.5,56.7 68.5,57.73 68.72,57.95 69.1,57.95 69.4,58.25 69.72,58.25 69.72,58.25 70.3,58.25 v1(70.39,58.34) ; v1(56.39,20.34) 56.3,20.25 55.72,20.25 55.72,20.25 55.4,20.25 55.1,19.95 54.72,19.95 54.5,19.73 54.5,18.7 ; 12.5,18.7 12.5,19.73 12.72,19.95 13.1,19.95 13.4,20.25 13.72,20.25 13.72,20.25 14.3,20.25 v1(14.39,20.34) ; v1(42.39,74.34) 42.3,74.25 41.72,74.25 41.72,74.25 41.4,74.25 41.1,73.95 40.72,73.95 40.5,73.73 40.5,72.7 ; 26.5,18.7 26.5,19.73 26.72,19.95 27.1,19.95 27.4,20.25 27.72,20.25 27.72,20.25 28.3,20.25 v1(28.39,20.34) ; v1(56.39,36.34) 56.3,36.25 55.72,36.25 55.72,36.25 55.4,36.25 55.1,35.95 54.72,35.95 54.5,35.73 54.5,34.7 ; v1(70.39,36.34) 70.3,36.25 69.72,36.25 69.72,36.25 69.4,36.25 69.1,35.95 68.72,35.95 68.5,35.73 68.5,34.7 ; 68.5,72.7 68.5,73.73 68.72,73.95 69.1,73.95 69.4,74.25 69.72,74.25 69.72,74.25 70.3,74.25 v1(70.39,74.34) ; 40.5,56.7 40.5,57.73 40.72,57.95 41.1,57.95 41.4,58.25 41.72,58.25 41.72,58.25 42.3,58.25 v1(42.39,58.34) ; 12.5,72.7 12.5,73.73 12.72,73.95 13.1,73.95 13.4,74.25 13.72,74.25 13.72,74.25 14.3,74.25 v1(14.39,74.34) ; 54.5,56.7 54.5,57.73 54.72,57.95 55.1,57.95 55.4,58.25 55.72,58.25 55.72,58.25 56.3,58.25 v1(56.39,58.34)